# KiCad board hermod-left.kicad_pcb (continued)
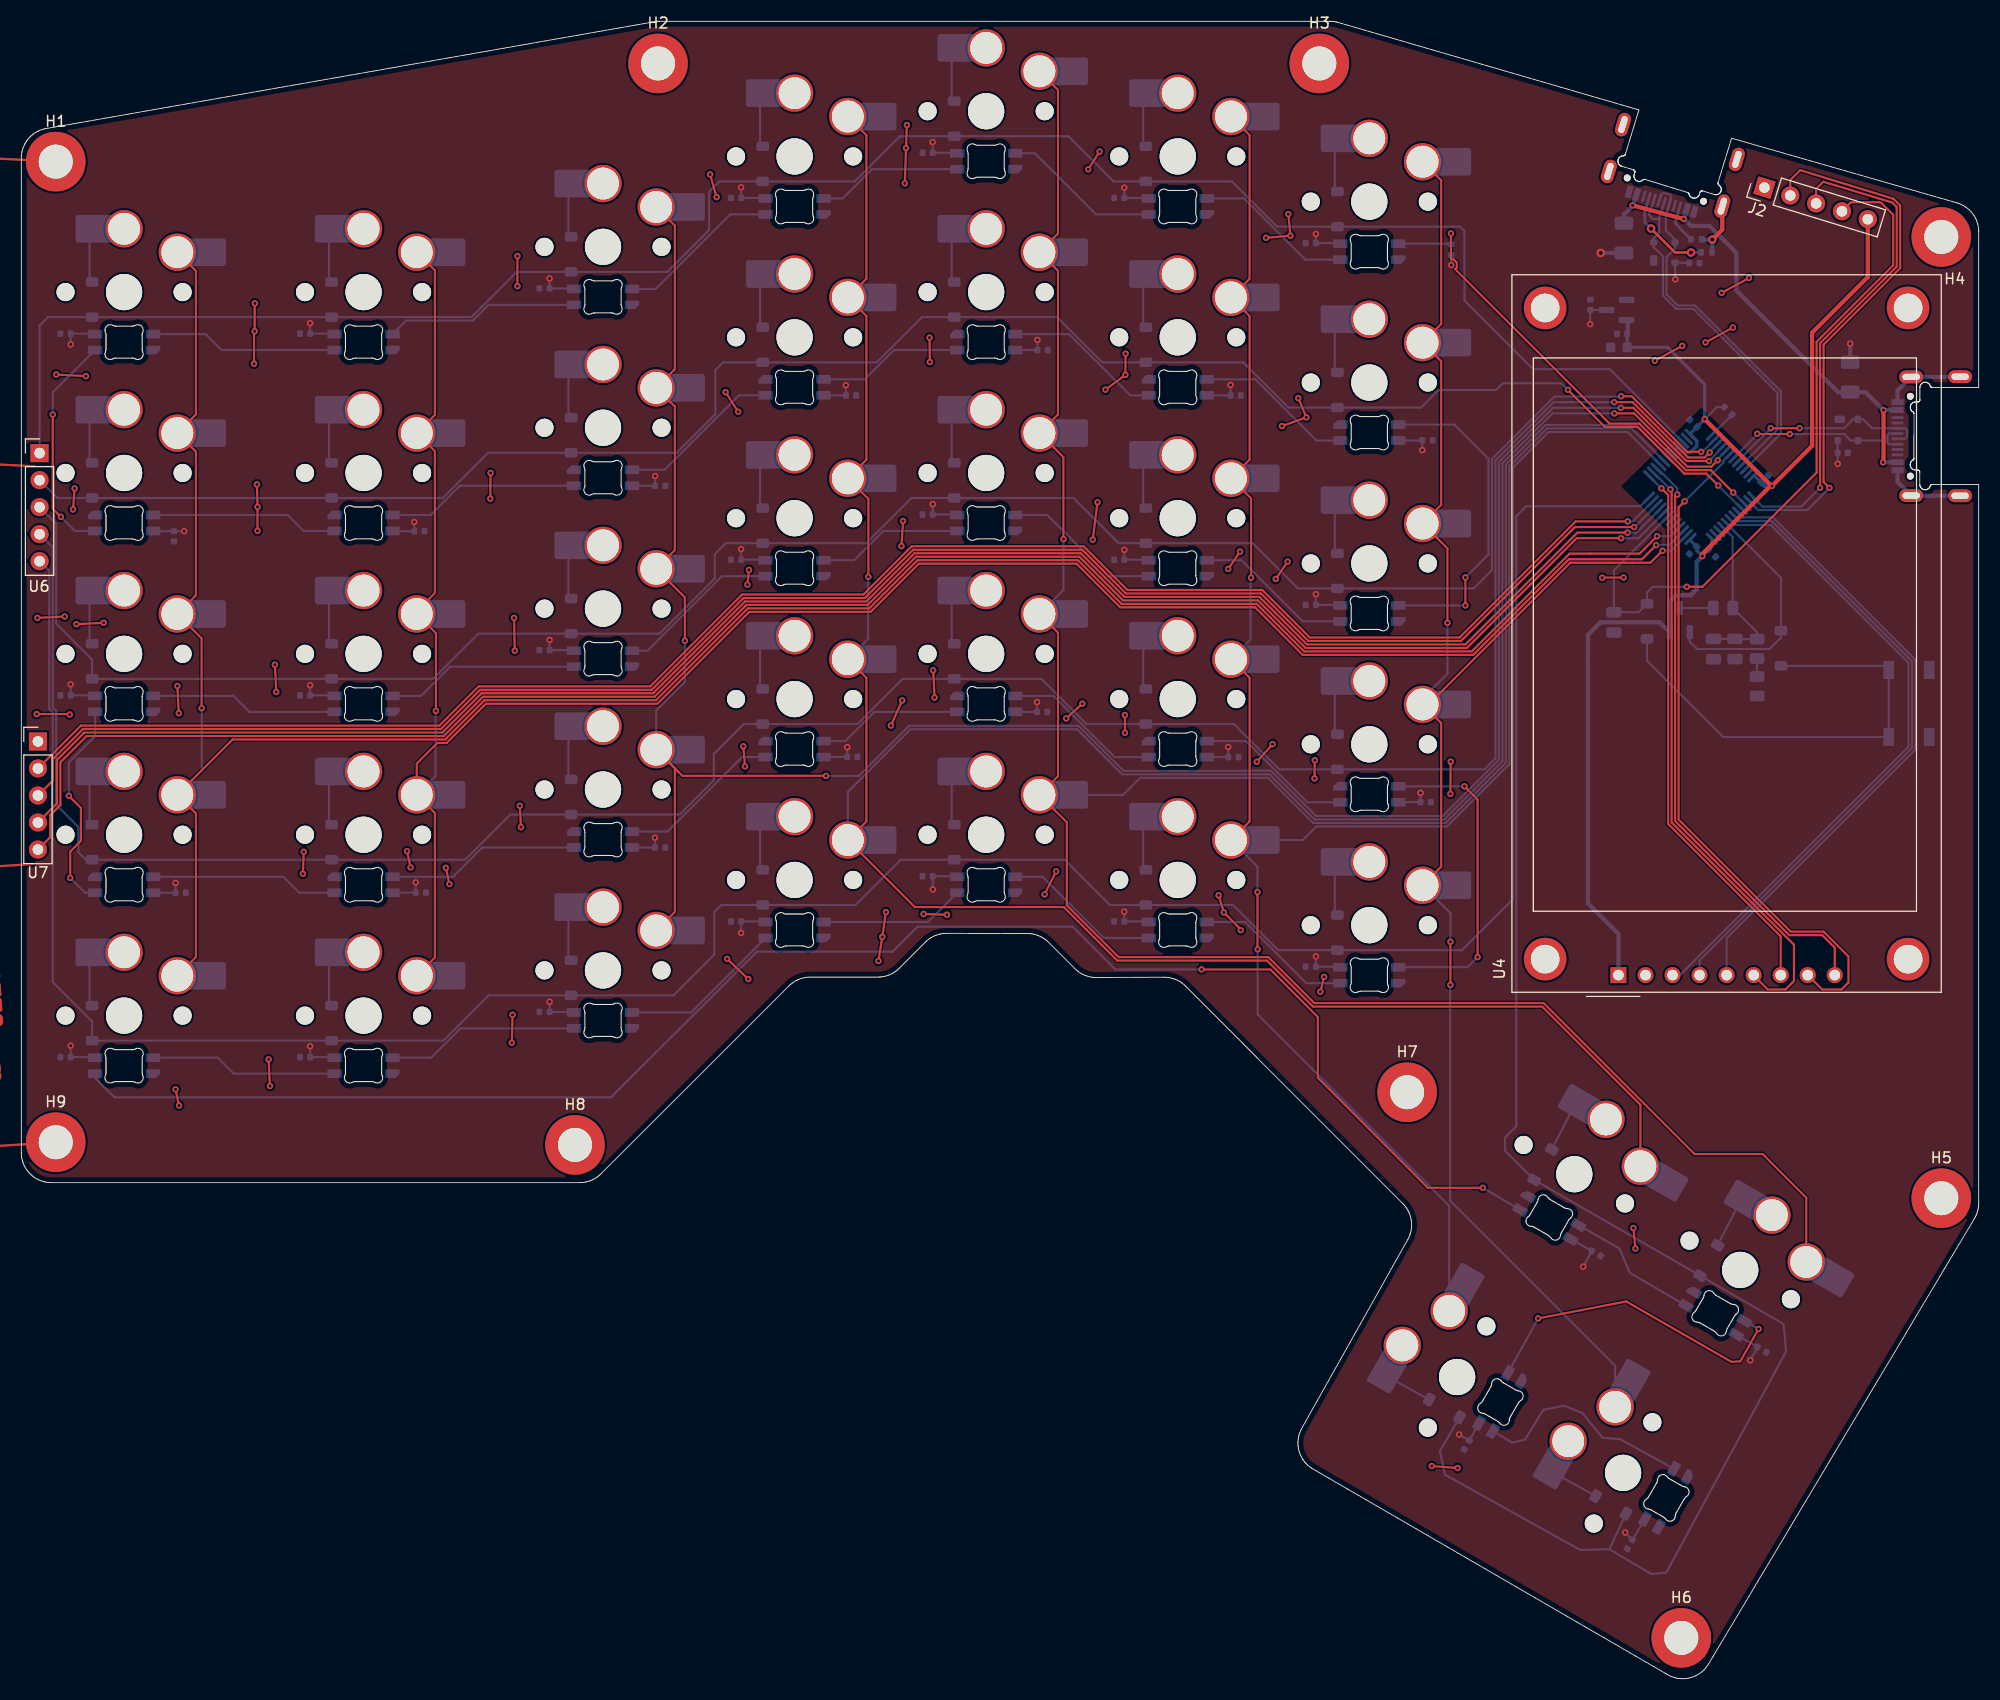
[diagram p0: board, top side]
## Footprints (pads in the part's own frame, mm; a bottom-side part is the same pattern mirrored in y, then rotated)
C_0402_1005Metric
  rrect 0.56x0.62 smd: 1(-0.48,0) 2(0.48,0)
C_0603_1608Metric
  rrect 0.9x0.95 smd: 1(-0.775,0) 2(0.775,0)
C_0805_2012Metric
  rrect 1x1.45 smd: 1(-0.95,0) 2(0.95,0)
CR2013-MI2120
  round 4 hole 2.7: (1.5,6.89) (1.5,-27.21) (62.7,6.89) (62.7,-27.21)
  rect 1.5x1.5 hole 1: 1(0,0)
  round 1.5 hole 1: 2(0,-2.54) 3(0,-5.08) 4(0,-7.62) 5(0,-10.16) 6(0,-12.7) 7(0,-15.24) 8(0,-17.78) 9(0,-20.32)
D_SOD-123
  rrect 0.9x1.2 smd: 1(-1.65,0) 2(1.65,0)
Fuse_1206_3216Metric
  rrect 1.25x1.75 smd: 1(-1.4,0) 2(1.4,0)
LED_choc_6028R
  rrect 1.35x0.82 smd: 1(-2.725,-0.75) 2(-2.725,0.75) 3(2.725,-0.75) 4(2.725,0.75)
LQFP-48_7x7mm_P0.5mm
  rrect 1.475x0.28 smd: 1(-4.162,2.75) 2(-4.162,2.25) 3(-4.162,1.75) 4(-4.162,1.25) 5(-4.162,0.75) 6(-4.162,0.25) 7(-4.162,-0.25) 8(-4.162,-0.75) 9(-4.162,-1.25) 10(-4.162,-1.75) 11(-4.162,-2.25) 12(-4.162,-2.75) 25(4.162,-2.75) 26(4.162,-2.25) 27(4.162,-1.75) 28(4.162,-1.25) 29(4.162,-0.75) 30(4.162,-0.25) 31(4.162,0.25) 32(4.162,0.75) 33(4.162,1.25) 34(4.162,1.75) 35(4.162,2.25) 36(4.162,2.75)
  rrect 0.28x1.475 smd: 13(-2.75,-4.162) 14(-2.25,-4.162) 15(-1.75,-4.162) 16(-1.25,-4.162) 17(-0.75,-4.162) 18(-0.25,-4.162) 19(0.25,-4.162) 20(0.75,-4.162) 21(1.25,-4.162) 22(1.75,-4.162) 23(2.25,-4.162) 24(2.75,-4.162) 37(2.75,4.162) 38(2.25,4.162) 39(1.75,4.162) 40(1.25,4.162) 41(0.75,4.162) 42(0.25,4.162) 43(-0.25,4.162) 44(-0.75,4.162) 45(-1.25,4.162) 46(-1.75,4.162) 47(-2.25,4.162) 48(-2.75,4.162)
MountingHole_3.2mm_M3_DIN965_Pad
  round 5.6 hole 3.2: 1(0,0)
PinHeader_1x05_P2.54mm_Vertical
  rect 1.7x1.7 hole 1: 1(0,0)
  oval 1.7x1.7 hole 1: 2(0,-2.54) 3(0,-5.08) 4(0,-7.62) 5(0,-10.16)
Pogo_2.54mm_5p
  rect 1.7x1.7 hole 1: 1(0,5.11)
  oval 1.7x1.7 hole 1: 2(0,2.57) 3(0,0.03) 4(0,-2.51) 5(0,-5.05)
R_0402_1005Metric
  rrect 0.54x0.64 smd: 1(-0.51,0) 2(0.51,0)
R_0805_2012Metric
  rrect 1.025x1.4 smd: 1(-0.912,0) 2(0.912,0)
SOT-23
  rrect 1.475x0.6 smd: 1(-0.938,0.95) 2(-0.938,-0.95) 3(0.938,0)
SOT-23-3
  rrect 1.325x0.6 smd: 1(-1.137,0.95) 2(-1.137,-0.95) 3(1.137,0)
SOT-143
  rrect 0.7x1 smd: 1(-1,0.75)
  rrect 0.7x0.6 smd: 2(-1,-0.95) 3(1,-0.95) 4(1,0.95)
SW_choc_v1_HS_CPG135001S30_1.5u
  round 1.7 hole 1.7 unplated: (-5.5,0) (5.5,0)
  round 3.4 hole 3.4 unplated: (0,0)
  round 3.5 hole 3: 1(5,-3.75) 2(0,-5.95)
  rect 1.2x2.6 smd: 1(6.55,-3.75) 2(-1.55,-5.95)
  rrect 2.65x2.6 smd: 1(8.245,-3.75) 2(-3.245,-5.95)
SW_choc_v1_HS_CPG135001S30_1u
  round 1.7 hole 1.7 unplated: (-5.5,0) (5.5,0)
  round 3.4 hole 3.4 unplated: (0,0)
  round 3.5 hole 3: 1(5,-3.75) 2(0,-5.95)
  rect 1.2x2.6 smd: 1(6.55,-3.75) 2(-1.55,-5.95)
  rrect 2.65x2.6 smd: 1(8.245,-3.75) 2(-3.245,-5.95)
SW_SPST_TL3342
  rect 1.7x1 smd: 1(-3.15,1.9) 1(3.15,1.9) 2(-3.15,-1.9) 2(3.15,-1.9)
USB_C_Receptacle_HRO_TYPE-C-31-M-14
  round 0.65 hole 0.65 unplated: (-3.75,0) (3.75,0)
  rect 0.54x1.1 smd: A1(-3.2,1.2) A4(-2.45,1.2) A9(2.45,1.2) A12(3.2,1.2) B1(3.2,1.2) B4(2.45,1.2) B9(-2.45,1.2) B12(-3.2,1.2)
  rect 0.28x1.1 smd: A5(-1.25,1.2) A6(-0.25,1.2) A7(0.25,1.2) A8(1.25,1.2) B5(1.75,1.2) B6(0.75,1.2) B7(-0.75,1.2) B8(-1.75,1.2)
  oval 1.2x2.25 hole 0.6x1.65: S1(-5.595,-4.68) S1(-5.575,-0.08) S1(5.575,-0.08) S1(5.595,-4.68)

## Nets
+3V3: C101.1 C102.1 C103.1 C104.1 C105.1 C107.1 J2.5 Q3.2 R6.1 U1.1 U1.20 U1.21 U1.24 U1.36 U1.48 U3.2 U4.1
+5V: C1.1 C2.1 C3.1 C4.1 C5.1 C6.1 C7.1 C8.1 C9.1 C10.1 C11.1 C12.1 C13.1 C14.1 C15.1 C16.1 C17.1 C18.1 C19.1 C20.1 C21.1 C22.1 C23.1 C24.1 C25.1 C26.1 C27.1 C28.1 C29.1 C30.1 C31.1 C32.1 C33.1 C34.1 C35.1 C36.1 C37.1 C38.1 C39.1 C40.1 C106.1 C108.1 F1.2 F2.2 LED1.1 LED2.1 LED3.1 LED4.1 LED5.1 LED6.1 LED7.1 LED8.1 LED9.1 LED10.1 LED11.1 LED12.1 LED13.1 LED14.1 LED15.1 LED16.1 LED17.1 LED18.1 LED19.1 LED20.1 LED21.1 LED22.1 LED23.1 LED24.1 LED25.1 LED26.1 LED27.1 LED28.1 LED29.1 LED30.1 LED31.1 LED32.1 LED33.1 LED34.1 LED35.1 LED36.1 LED37.1 LED38.1 LED39.1 R5.1 U2.4 U3.3
GND: C1.2 C2.2 C3.2 C4.2 C5.2 C6.2 C7.2 C8.2 C9.2 C10.2 C11.2 C12.2 C13.2 C14.2 C15.2 C16.2 C17.2 C18.2 C19.2 C20.2 C21.2 C22.2 C23.2 C24.2 C25.2 C26.2 C27.2 C28.2 C29.2 C30.2 C31.2 C32.2 C33.2 C34.2 C35.2 C36.2 C37.2 C38.2 C39.2 C40.2 C41.1 C42.1 C43.1 C101.2 C102.2 C103.2 C104.2 C105.2 C106.2 C107.2 C108.2 H1.1 H2.1 H3.1 H4.1 H5.1 H6.1 H7.1 H8.1 H9.1 J1.A1 J1.A12 J1.B1 J1.B12 J1.S1 J2.1 J3.A1 J3.A12 J3.B1 J3.B12 J3.S1 LED1.4 LED2.4 LED3.4 LED4.4 LED5.4 LED6.4 LED7.4 LED8.4 LED9.4 LED10.4 LED11.4 LED12.4 LED13.4 LED14.4 LED15.4 LED16.4 LED17.4 LED18.4 LED19.4 LED20.4 LED21.4 LED22.4 LED23.4 LED24.4 LED25.4 LED26.4 LED27.4 LED28.4 LED29.4 LED30.4 LED31.4 LED32.4 LED33.4 LED34.4 LED35.4 LED36.4 LED37.4 LED38.4 LED39.4 R1.1 R2.2 R9.2 RESET1.1 U1.19 U1.23 U1.35 U1.47 U2.1 U3.1 U4.2 U5.1 U7.1
VBUS: F1.1 F2.1 J1.A4 J1.A9 J1.B4 J1.B9 J3.A4 J3.A9 J3.B4 J3.B9
BOOT0: C41.2 C42.2 R7.2 R8.2 U1.45
BOOT0_CHRG: D40.2 Q3.1 U1.44
col0: CH1.1 CH8.1 CH15.1 CH22.1 CH29.1 U1.4
col1: CH2.1 CH9.1 CH16.1 CH23.1 CH30.1 U1.3
col2: CH3.1 CH10.1 CH17.1 CH24.1 CH31.1 U1.28
col3: CH4.1 CH11.1 CH18.1 CH25.1 CH32.1 CH36.1 U1.29
col4: CH5.1 CH12.1 CH19.1 CH26.1 CH33.1 CH37.1 U1.18
col5: CH6.1 CH13.1 CH20.1 CH27.1 CH34.1 CH38.1 U1.17
col6: CH7.1 CH14.1 CH21.1 CH28.1 CH35.1 CH39.1 U1.2
col7: U1.8 U7.5
col8: U1.9 U7.4
col9: U1.10 U7.3
col10: U1.11 U7.2
D+: J1.A6 J1.B6 U1.34 U2.3
D-: J1.A7 J1.B7 U1.33 U2.2
DOut1: LED1.2 LED8.3
DOut2: LED14.2 LED21.3
DOut3: LED15.2 LED22.3
DOut4: LED28.2 LED35.3
DOut5: LED29.2 LED36.3
HAND_PIN: R6.2 U1.25
LCD_BL_PWM: U1.30 U4.8
LCD_CS: U1.43 U4.3
LCD_DC: U1.41 U4.5
LCD_MISO: U1.15 U4.9
LCD_MOSI: U1.14 U4.6
LCD_RST: U1.42 U4.4
LCD_SCK: U1.13 U4.7
NRST: C43.2 D41.2 J2.4 U1.7
RGB5v: LED7.3 R5.2 U1.39
row0: D1.1 D2.1 D3.1 D4.1 D5.1 D6.1 D7.1 U1.22 U6.1
row1: D8.1 D9.1 D10.1 D11.1 D12.1 D13.1 D14.1 U1.40 U6.2
row2: D15.1 D16.1 D17.1 D18.1 D19.1 D20.1 D21.1 U1.26 U6.3
row3: D22.1 D23.1 D24.1 D25.1 D26.1 D27.1 D28.1 U1.27 U6.4
row4: D29.1 D30.1 D31.1 D32.1 D33.1 D34.1 D35.1 U1.16 U6.5
row5: D36.1 D37.1 D38.1 D39.1 U1.12
SplitSerial-RX: J3.A7 J3.B7 U1.32 U5.2
SplitSerial-TX: J3.A6 J3.B6 U1.31 U5.3
SWCLK: J2.2 U1.38
SWD: J2.3 U1.37
Net-(D1-A): CH1.2 D1.2
Net-(D2-A): CH2.2 D2.2
Net-(D3-A): CH3.2 D3.2
Net-(D4-A): CH4.2 D4.2
Net-(D5-A): CH5.2 D5.2
Net-(D6-A): CH6.2 D6.2
Net-(D7-A): CH7.2 D7.2
Net-(D8-A): CH8.2 D8.2
Net-(D9-A): CH9.2 D9.2
Net-(D10-A): CH10.2 D10.2
Net-(D11-A): CH11.2 D11.2
Net-(D12-A): CH12.2 D12.2
Net-(D13-A): CH13.2 D13.2
Net-(D14-A): CH14.2 D14.2
Net-(D15-A): CH15.2 D15.2
Net-(D16-A): CH16.2 D16.2
Net-(D17-A): CH17.2 D17.2
Net-(D18-A): CH18.2 D18.2
Net-(D19-A): CH19.2 D19.2
Net-(D20-A): CH20.2 D20.2
Net-(D21-A): CH21.2 D21.2
Net-(D22-A): CH22.2 D22.2
Net-(D23-A): CH23.2 D23.2
Net-(D24-A): CH24.2 D24.2
Net-(D25-A): CH25.2 D25.2
Net-(D26-A): CH26.2 D26.2
Net-(D27-A): CH27.2 D27.2
Net-(D28-A): CH28.2 D28.2
Net-(D29-A): CH29.2 D29.2
Net-(D30-A): CH30.2 D30.2
Net-(D31-A): CH31.2 D31.2
Net-(D32-A): CH32.2 D32.2
Net-(D33-A): CH33.2 D33.2
Net-(D34-A): CH34.2 D34.2
Net-(D35-A): CH35.2 D35.2
Net-(D36-A): CH36.2 D36.2
Net-(D37-A): CH37.2 D37.2
Net-(D38-A): CH38.2 D38.2
Net-(D39-A): CH39.2 D39.2
Net-(D40-K): D40.1 D41.1 RESET1.2
Net-(J1-CC1): J1.A5 R1.2
Net-(J1-CC2): J1.B5 R2.1
Net-(LED1-DIN): LED1.3 LED2.2
Net-(LED2-DIN): LED2.3 LED3.2
Net-(LED3-DIN): LED3.3 LED4.2
Net-(LED4-DIN): LED4.3 LED5.2
Net-(LED5-DIN): LED5.3 LED6.2
Net-(LED6-DIN): LED6.3 LED7.2
Net-(LED8-DOUT): LED8.2 LED9.3
Net-(LED10-DIN): LED9.2 LED10.3
Net-(LED10-DOUT): LED10.2 LED11.3
Net-(LED11-DOUT): LED11.2 LED12.3
Net-(LED12-DOUT): LED12.2 LED13.3
Net-(LED13-DOUT): LED13.2 LED14.3
Net-(LED15-DIN): LED15.3 LED16.2
Net-(LED16-DIN): LED16.3 LED17.2
Net-(LED17-DIN): LED17.3 LED18.2
Net-(LED18-DIN): LED18.3 LED19.2
Net-(LED19-DIN): LED19.3 LED20.2
Net-(LED20-DIN): LED20.3 LED21.2
Net-(LED22-DOUT): LED22.2 LED23.3
Net-(LED23-DOUT): LED23.2 LED24.3
Net-(LED24-DOUT): LED24.2 LED25.3
Net-(LED25-DOUT): LED25.2 LED26.3
Net-(LED26-DOUT): LED26.2 LED27.3
Net-(LED27-DOUT): LED27.2 LED28.3
Net-(LED29-DIN): LED29.3 LED30.2
Net-(LED30-DIN): LED30.3 LED31.2
Net-(LED31-DIN): LED31.3 LED32.2
Net-(LED32-DIN): LED32.3 LED33.2
Net-(LED33-DIN): LED33.3 LED34.2
Net-(LED34-DIN): LED34.3 LED35.2
Net-(LED36-DOUT): LED36.2 LED37.3
Net-(LED37-DOUT): LED37.2 LED38.3
Net-(LED38-DOUT): LED38.2 LED39.3
Net-(Q3-C): Q3.3 R7.1
Net-(R8-Pad1): R8.1 R9.1

Pads without a net: J1 A8 B8; J3 A5 A8 B5 B8; LED39 2; U1 5 6 46; U5 4

## Via types
v1: diameter 0.6, hole 0.3, Top to Bottom, 217 vias
v2: diameter 0.8, hole 0.4, Top to Bottom, 4 vias

## Routing (per net, layer and track width the routed paths; a pad name or vN(x,y) marks a point on that pad's centre or on a via; arc(x,y) is an arc through that point)
+3V3: length 127.6
  Top w0.3: v1(157.95,105.51) 157.95,105.7
  Top w0.4: v1(158.17,118.37) 164.44,112.1 v1(164.49,112.1) ; 157.95,105.7 164.35,112.1 v1(164.49,112.1) ; J2.5 173.49,131.74 168.26,126.5 168.26,115.87 v1(164.49,112.1)
  Bottom w0.2: 158.54,106.09 158.53,106.09 ; 149.96,66.24 U4.1 ; R6.1 159.31,119.51 v1(158.17,118.37) ; 150.89,126.31 150.78,126.42
  Bottom w0.3: U1.20 U1.21 156.4,115.23 156.8,115.23 157.43,115.86 157.43,116.32 U1.24 156.84,117.04 C105.1 v1(158.17,118.37) 158.17,118.37 158.17,121.64 154.68,125.13 C101.1 150.88,126.39 150.89,126.39 ; 158.53,106.09 v1(157.95,105.51) 157.42,106.04 C103.1 156.84,106.97 U1.1 ; C102.1 162.87,113.02 U1.36 ; 158.54,106.09 158.84,106.39 U1.48
  Bottom w0.4: C102.1 163.79,112.1 v1(164.49,112.1) ; 150.88,126.33 150.94,126.39 150.94,127.58 U3.2 ; 150.85,125.09 150.89,125.12 ; U4.1 150.07,70 147.2,72.87 147.2,98.11 148.38,99.29 153.93,99.29 Q3.2 154.87,101.19 155.51,101.83 156.85,101.83 157.41,102.39 157.41,104.97 v1(157.95,105.51) 157.96,105.5
+5V: length 138.9
  Bottom w0.2: LED31.1 51.88,62.67 C31.1 v1(49.64,63.63) ; v1(85.63,144.42) C5.1 87.88,143.42 LED5.1 ; LED15.1 6.88,92.42 C15.1 v1(4.64,93.45) ; LED30.1 29.38,58.42 C30.1 v1(27.14,59.44) ; LED4.1 69.88,139.17 C4.1 v1(67.64,140.16) ; v1(131.47,83.26) C28.1 129.4,82.39 LED28.1 ; LED24.1 C24.1 v1(59.54,79.05) ; v1(131.64,115.47) C14.1 131.62,116.37 LED14.1 ; v1(4.65,125.4) 4.64,125.41 C1.1 6.88,126.42 LED1.1 ; v1(103.64,106.1) C20.1 105.88,105.17 LED20.1 ; v1(135.1,22.95) C38.1 LED38.1 ; LED11.1 75.39,120.61 C11.1 v1(77.48,121.57) ; LED17.1 51.88,96.67 C17.1 v1(49.64,97.63) ; LED16.1 29.38,92.42 C16.1 v1(27.14,93.37) ; v1(113.41,87.56) C27.1 LED27.1 ; LED36.1 C36.1 v1(146.76,38.73) ; LED18.1 69.88,105.17 C18.1 v1(67.64,106.16) ; v1(121.64,135.79) C7.1 123.88,134.92 LED7.1 ; v1(121.64,67.88) C35.1 123.88,66.92 LED35.1 ; LED9.1 34.9,107.85 C9.1 v1(36.93,108.72) ; v1(95.48,125.83) C12.1 LED12.1 ; LED6.1 105.88,139.17 C6.1 v1(103.63,140.14) ; LED3.1 51.88,130.67 C3.1 v1(49.64,131.6) ; v1(85.64,74.18) C33.1 87.88,75.42 LED33.1 ; LED25.1 75.4,86.64 C25.1 v1(77.61,87.55) ; LED23.1 34.89,73.88 C23.1 v1(37.06,74.84) ; LED29.1 6.88,58.42 C29.1 v1(4.64,59.5) ; v1(59.56,113.03) C10.1 57.39,112.11 LED10.1 ; 156.65,133.06 U2.4 v1(155.41,131.52) ; v1(27.14,127.4) C2.1 29.38,126.42 LED2.1 ; v1(14.5,74.8) C22.1 LED22.1 ; v1(85.64,110.39) C19.1 87.88,109.42 LED19.1 ; LED34.1 105.88,71.17 C34.1 v1(103.64,72.09) ; 170.66,116.36 170.66,115.29 ; v1(147.41,127.3) 147.41,128.63 147.41,128.64 U3.3 ; v1(150.7,13.74) 150.7,13.72 C39.1 LED39.1 ; LED32.1 69.88,71.17 C32.1 v1(67.64,70.08) ; LED37.1 C37.1 v1(162.46,29.93) ; LED21.1 123.88,100.92 C21.1 v1(121.64,101.93) ; C40.1 170.66,114.19 ; 134.35,133.79 v1(134.35,132.86) ; v1(15.31,107.85) C8.1 12.4,107.85 LED8.1 ; v1(113.62,121.59) C13.1 111.39,120.61 LED13.1 ; LED26.1 93.39,90.86 C26.1 v1(95.44,91.78)
  Bottom w0.4: F1.2 v2(148.4,134) ; F2.2 v1(171.84,125.48)
  vias: v1(170.67,114.18)
GND: length 160.1
  Top w0.2: v1(40.22,74.69) v1(39.89,76.21) ; v1(122.41,65.96) v1(122.06,64.57) ; v1(23.83,95.3) v1(23.96,92.74) ; v1(118.98,104.99) v1(117.87,103.36) ; v1(67.84,87.63) v1(68,85.75) ; v1(23.24,58.21) v1(23.37,55.7) ; v1(1.52,99.7) v1(4.08,99.83) ; v1(103.76,124.53) v1(103.74,122.54) v1(101.86,121.15) ; v1(46.84,82.04) v1(46.95,80.03) ; v1(121.51,84.61) v1(121.54,86.32) ; v1(150.54,103.49) 148.56,103.49 v1(148.54,103.47) ; v1(66.32,67.65) v1(68.31,65.76) ; v1(85.34,126.04) v1(85.37,123.75) ; v1(82.77,91.94) v1(81.71,89.58) ; v1(114.58,70.35) 114.58,70.43 v1(112.99,72.02) v1(112.5,73.63) ; v1(153.49,123.87) v1(156.06,125.27) ; v1(46.62,130.88) v1(46.62,133.71) ; v1(68.38,104.21) v1(68.23,102.83) ; v1(98.18,90.25) v1(99.7,91.64) ; v1(82.85,108.81) v1(82.7,106.45) ; v1(85.68,94.77) v1(85.81,92.21) ; v1(103.7,88.9) v1(103.7,90.57) ; v1(116.96,135.42) v1(119.25,135.62) v1(119.05,137.65) ; v1(118.45,117.73) v1(120.75,118.55) v1(119.99,120.35) ; v1(6.08,122.42) v1(3.28,122.57) ; v1(83.02,140.54) v1(83.13,143.85) v1(83.21,146.02) ; v1(5.01,111.86) v1(4.86,109.9) ; v1(81.24,72.05) v1(80.9,69.72) v1(80.54,67.46) ; v1(151.47,42.36) v1(151.66,40.43) ; v1(116.09,86.18) v1(117.57,87.83) ; v1(14.82,53.87) v1(14.49,55.39) ; v1(22.2,107.88) v1(22.2,110.13) v1(22.14,112.24) ; v1(86.98,71.8) v1(84.78,71.87) ; v1(44.1,113.32) v1(44.07,110.91) ; v1(134.31,86.19) v1(134.28,83.16) ; v1(66.18,120.91) v1(67.36,119.08) ; v1(46.3,99.7) v1(46.37,96.62) ; v1(21.87,123.59) 21.87,126.58 v1(21.93,126.64) 21.93,129.24 v1(21.95,129.26) ; v1(4.55,90.62) 4.51,90.66 v1(1.45,90.66) ; v1(100.25,141.86) v1(101.32,143.53) ; v1(64.72,141.38) v1(65.33,139.25) ; v1(134.95,19.8) v1(132.52,19.99) ; v1(46.16,62.4) v1(46.09,59.77) ; v1(14.67,93.3) v1(14.8,90.74) ; v1(114.51,105.93) v1(113.4,104.3) ; v1(26.54,77.72) v1(26.46,75.65) ; v1(97.23,75.87) v1(96.15,73.72) ; v1(158.25,125.59) v1(160.82,126.99) ; v1(36.58,76.25) v1(36.25,77.77) ; v1(159.76,130.25) v1(162.33,131.65) ; v1(101.12,110.57) v1(100.67,107.05) ; v1(5.18,99.11) v1(7.74,99.24)
  Top w0.4: J1.S1 159.83,136.2 v2(158.88,135.25)
  Bottom w0.2: 147.41,129.59 147.41,129.59 ; 177.59,111.18 J3.S1 ; J1.S1 161.19,142.73
  Bottom w0.4: R1.1 158.88,134.09 v2(158.88,135.25) 157.93,135.25 R2.2 ; J3.S1 182.15,122.35 J3.S1 176.29,121.07 J3.A1 ; J3.S1 177.59,111.18 ; J3.S1 176.29,112.48 J3.A12
VBUS: length 44.9
  Top w0.2: v1(174.93,114.32) 174.97,114.37
  Top w0.4: 174.97,114.37 v1(174.97,119.23) ; v1(151.4,138.47) v1(156.2,137.19)
  Bottom w0.2: 174.93,114.33 v1(174.93,114.32)
  Bottom w0.4: J1.A4 v1(151.4,138.47) 151.39,138.43 150.58,137.62 F1.1 ; J3.A4 v1(174.97,119.23) 173.3,120.9 170.72,120.9 161.15,130.47 161.15,134.01 158.62,136.54 156.91,136.54 v1(156.2,137.19) J1.A9 ; 156.49,138.14 156.49,138.16 ; J3.A9 174.93,114.33
BOOT0: length 15.9
  Bottom w0.2: C42.2 159.01,97.73 C41.2 161.04,97.7 R8.2 163.09,98.34 R7.2 160.8,107.25 160.82,107.27 U1.45
BOOT0_CHRG: length 23.2
  Bottom w0.2: U1.44 165.34,103.46 D40.2 165.34,97.85 164.27,96.78 157.44,96.78 156.77,97.45 Q3.1 156.89,98.48
col0: length 232.9
  Top w0.2: v1(16.95,91.21) 16.95,97.78 CH15.1 16.41,101.82 16.41,115.32 CH8.1 16.41,118.82 16.41,132.32 CH1.1 ; v1(153.7,107.38) 152.06,105.74 147.39,105.74 147.38,105.74 145.47,105.74 136.29,96.55 120.53,96.55 116.06,101.02 103.38,101.02 99.28,105.12 84.2,105.12 79.67,100.59 68.27,100.59 59.64,91.96 43.52,91.96 39.83,88.27 19.86,88.27 CH22.1 16.41,81.32 16.41,67.82 CH29.1
  Bottom w0.2: v1(153.7,107.38) 154.97,107.38 U1.4 ; v1(16.95,91.21) 16.96,91.2 16.96,85.37 CH22.1
col1: length 211.8
  Top w0.2: CH30.1 38.86,67.77 38.86,81.37 CH23.1 37.16,86.01 39.09,87.94 39.96,87.94 43.65,91.64 59.77,91.64 68.4,100.27 79.8,100.27 84.33,104.8 99.14,104.8 103.24,100.69 115.92,100.69 120.39,96.23 136.42,96.23 145.41,105.21 152.28,105.21 v1(153.6,106.54) ; CH2.1 38.86,132.37 38.86,118.77 CH9.1 38.86,115.37 38.86,102.03 37.16,100.33 CH16.1 38.96,98.27 v1(38.96,90.96)
  Bottom w0.2: v1(38.96,90.96) 38.93,90.93 38.93,84.84 CH23.1 ; v1(153.6,106.54) 154.83,106.54 U1.3
col2: length 216.3
  Top w0.2: CH3.1 61.41,136.57 61.41,123.07 CH10.1 61.41,119.57 61.41,106.07 CH17.1 62.35,101.63 v1(62.35,97.55) ; v1(75.61,84.85) 75.6,84.86 62.12,84.86 CH24.1 61.41,85.57 61.41,72.07 CH31.1 ; v1(158.57,114.44) 156.47,114.44 151.46,119.45 v1(150.29,119.45)
  Bottom w0.2: v1(75.61,84.85) 78.7,84.85 83.41,89.56 99.32,89.56 103.56,85.33 114.95,85.33 114.97,85.34 117.39,85.34 121.65,81.08 133.55,81.08 138.83,86.36 138.83,114.36 143.92,119.45 v1(150.29,119.45) ; U1.28 159.9,115.76 v1(158.57,114.44) ; CH24.1 59.66,91.01 62.35,93.7 v1(62.35,97.55)
col3: length 292.6
  Top w0.2: CH25.1 79.41,94.07 79.41,80.57 CH32.1 83.96,72.52 97.95,72.52 102.98,67.49 117.05,67.49 121.37,63.17 142.9,63.17 152.12,53.95 CH36.1 ; CH4.1 79.41,145.07 79.41,131.57 CH11.1 79.41,128.07 79.41,114.57 CH18.1 79.59,110.89 v1(79.59,103.56) ; v1(159.39,114.51) 158.79,113.92 156.53,113.92 151.53,118.92 v1(149.68,118.92)
  Bottom w0.2: v1(159.39,114.51) 159.39,114.63 U1.29 ; CH32.1 77.66,83.35 83.54,89.23 99.19,89.23 103.42,85 117.27,85 121.52,80.75 133.69,80.75 139.16,86.22 139.16,114.22 143.85,118.92 v1(149.68,118.92) ; CH25.1 79.57,97.73 79.57,103.54 v1(79.59,103.56)
col4: length 267.2
  Top w0.2: v1(97.92,107.11) 97.92,114.81 CH19.1 97.41,118.82 97.41,132.32 CH12.1 97.41,135.82 97.41,149.32 CH5.1 ; CH26.1 97.41,98.32 97.41,84.82 CH33.1 98.24,80.49 98.24,72.69 103.11,67.82 117.18,67.82 121.5,63.5 143.03,63.5 157.22,49.31 163.61,49.31 167.71,45.21 CH37.1
  Bottom w0.2: CH33.1 103.53,83.07 105.13,84.67 117.14,84.67 121.38,80.43 133.82,80.43 139.49,86.09 139.49,114.09 143.23,117.84 151.67,117.84 U1.18 ; CH26.1 97.92,102.33 v1(97.92,107.11)
col5: length 201.1
  Top w0.2: CH6.1 115.41,145.07 115.41,131.57 CH13.1 115.41,128.07 115.41,114.57 CH20.1 115.55,110.93 v1(115.55,103.48) ; CH34.1 115.41,80.57 115.41,94.07 CH27.1 ; v1(116.17,68.55) 116.15,68.57 v1(116.15,73.93)
  Bottom w0.2: v1(116.17,68.55) 116.17,62.44 134.16,44.45 CH38.1 ; U1.17 151.29,117.51 143.37,117.51 139.81,113.95 139.81,85.95 133.96,80.1 121.69,80.1 120.41,78.82 CH34.1 116.15,76.33 v1(116.15,73.93) ; v1(115.55,103.48) 115.5,103.43 115.5,97.66 CH27.1
col6: length 162.2
  Top w0.2: v1(134.28,69.26) v1(134.28,65.21) ; CH35.1 133.41,76.32 133.41,89.82 CH28.1 132.23,91.57 145.55,104.89 153.08,104.89 v1(154.21,106.02) ; v1(134,99.23) 134,106.23 CH21.1 133.41,110.32 133.41,123.82 CH14.1 133.41,127.32 133.41,140.82 CH7.1
  Bottom w0.2: CH35.1 134.28,71.95 v1(134.28,69.26) ; U1.2 155.01,106.02 v1(154.21,106.02) ; CH39.1 149.75,29.42 134.26,44.91 134.26,65.19 v1(134.28,65.21) ; v1(134,99.23) 134,94.46 131.66,92.12 CH28.1
col7: length 176.6
  Top w0.2: v1(150.31,107.19) 150.3,107.19 146.14,107.19 135.83,96.88 120.66,96.88 116.19,101.35 103.51,101.35 99.41,105.45 84.06,105.45 79.53,100.92 68.13,100.92 59.5,92.29 43.38,92.29 39.69,88.6 6.14,88.6 3.68,86.13 3.68,82.12 2.72,81.16 2.72,79.08 U7.5
  Bottom w0.2: v1(150.31,107.19) 151.94,107.19 U1.8
col8: length 174.2
  Top w0.2: U7.4 3.35,82.25 3.35,86.35 5.92,88.92 39.55,88.92 43.25,92.62 59.37,92.62 68,101.25 79.4,101.25 83.93,105.78 99.55,105.78 103.65,101.67 116.33,101.67 120.8,97.21 135.69,97.21 146.2,107.72 150.91,107.72 v1(150.92,107.71)
  Bottom w0.2: v1(150.92,107.71) 151.76,107.71 U1.9
col9: length 171.7
  Top w0.2: v1(151.54,108.24) 145.98,108.24 135.27,97.53 120.93,97.53 116.47,102 103.79,102 99.68,106.1 83.79,106.1 79.26,101.57 67.86,101.57 59.23,92.94 43.11,92.94 39.42,89.25 5.79,89.25 2.96,86.42 2.96,84.4 U7.3
  Bottom w0.2: U1.10 151.58,108.24 v1(151.54,108.24)
col10: length 169.2
  Top w0.2: v1(150.93,108.77) 150.93,108.77 146.05,108.77 135.14,97.86 121.07,97.86 116.6,102.33 103.92,102.33 99.82,106.43 83.66,106.43 79.13,101.9 67.73,101.9 59.1,93.27 42.98,93.27 39.28,89.58 5.59,89.58 U7.2
  Bottom w0.2: v1(150.93,108.77) 151.4,108.77 U1.11
D+: length 34.8
  Bottom w0.2: U2.3 155.38,135.26 154.51,136.12 154.51,137.5 J1.B6 ; 154.83,138.58 155.02,139.29 154.93,139.46 154.33,139.64 154.07,139.54 153.88,138.88 ; 155.38,134.94 155.38,134.41 154.58,133.62 154.58,130.11 155.63,129.07 157.25,129.07 165.33,120.98 165.33,117.04 U1.34
D-: length 34.7
  Bottom w0.2: U1.33 165.01,117.42 165.01,120.85 157.11,128.74 155.49,128.74 154.26,129.98 154.26,133.66 153.38,134.54 U2.2 153.38,135.38 153.9,135.9 153.9,137.18 153.89,137.19 ; 153.89,137.19 154,137.59 J1.A7 ; 153.89,137.19 153.31,137.19 152.94,137.56 152.94,137.59 J1.B7
DOut1: length 21.4
  Top w0.2: v1(2.96,118.81) 2.95,118.81 2.95,109.96 v1(3.72,109.2)
  Bottom w0.2: LED8.3 5.05,107.87 v1(3.72,109.2) ; v1(2.96,118.81) 2.96,120.9 LED1.2
DOut2: length 30.8
  Top w0.2: v1(135.69,103.5) 135.69,100.85
  Bottom w0.2: LED21.3 v1(135.69,100.87) ; LED14.2 134.64,117.87 137.85,114.66 137.85,105.66 v1(135.69,103.5)
DOut3: length 20.4
  Top w0.2: v1(4.47,82.98) 5.61,81.84 5.61,78.75 4.6,77.74 v1(4.6,75.26)
  Bottom w0.2: v1(4.6,75.26) 5.99,73.87 LED22.3 ; v1(4.47,82.98) 4.47,86.13 6.93,88.59 LED15.2
DOut4: length 30.6
  Top w0.2: v1(136.83,67.82) 136.83,82.64 v1(135.6,83.87)
  Bottom w0.2: v1(135.6,83.87) LED28.2 ; LED35.3 135.88,66.87 v1(136.83,67.82)
DOut5: length 155.8
  Top w0.2: v1(110.9,66.66) 117.35,66.66 121.82,62.19 121.82,56.48 132.16,46.14 v1(137.33,46.14)
  Bottom w0.2: v1(110.9,66.66) 102.8,66.66 98.78,70.68 84.22,70.68 81.87,68.33 69.1,68.33 55.41,54.64 8.75,54.64 6.93,56.46 LED29.2 ; v1(137.33,46.14) LED36.3
HAND_PIN: length 2.7
  Bottom w0.2: R6.2 158.86,116.91 U1.25
LCD_BL_PWM: length 64.8
  Top w0.2: v1(156.28,110.65) 155.72,110.09 155.72,80.75 166.25,70.21 169.35,70.21 171.68,67.88 171.68,65.43 171.02,64.77 169.21,64.77 U4.8
  Bottom w0.2: U1.30 160.6,115.14 159.91,114.46 159.91,114.29 v1(156.28,110.65)
LCD_CS: length 61.2
  Bottom w0.2: U1.43 161.07,108.43 164.37,108.43 177.32,95.48 177.32,87.61 155.84,66.13 U4.3
LCD_DC: length 59.4
  Bottom w0.2: U4.5 160.23,69.59 177.98,87.34 177.98,95.75 164.59,109.14 161.78,109.14 U1.41
LCD_MISO: length 56.6
  Top w0.2: v1(155.59,111.3) 155.39,111.09 155.39,80.61 166.11,69.89 169.21,69.89 170.39,68.71 U4.9
  Bottom w0.2: U1.15 153.74,113.73 155.59,111.88 v1(155.59,111.3)
LCD_MOSI: length 58
  Top w0.2: v1(154.95,111.77) 155.06,111.66 155.06,80.48 166.56,68.98 166.56,65.57 165.77,64.78 164.09,64.78 162.77,66.1 U4.6
  Bottom w0.2: v1(154.95,111.77) 153.35,113.37 U1.14
LCD_RST: length 60.9
  Top w0.2: U4.4 157.69,66.56 157.92,66.79
  Bottom w0.2: U1.42 161.42,108.79 164.48,108.79 177.65,95.61 177.65,87.48 157.69,67.51 U4.4
LCD_SCK: length 52
  Top w0.2: v1(154.11,111.87) 154.73,111.24 154.73,80.34 165.31,69.77 U4.7
  Bottom w0.2: v1(154.11,111.87) 152.96,113.02 U1.13
NRST: length 69.2
  Top w0.2: v1(156.49,102.62) 157.96,102.62 168.68,113.35 168.68,125.65 175.88,132.85 175.88,137.58 174.75,138.71 174.58,138.76 171.91,138.76 J2.4
  Bottom w0.2: v1(156.49,102.62) 153.28,102.62 152.75,102.09 D41.2 151.95,100.23 C43.2 149.64,104.17 U1.7 ; 152.8,101.36 152.75,101.31
RGB5v: length 46.3
  Top w0.2: v1(134.33,135.83) 134.33,133.39 134.57,133.39 134.88,133.08 134.88,132.64 134.72,132.48 149.24,117.96 152.02,117.96 156.4,113.59 158.74,113.59 v1(160.85,111.48)
  Bottom w0.2: v1(160.85,111.48) 162.01,110.31 U1.39 ; LED7.3 134.3,134.87 R5.2 134.33,134.84 v1(134.33,135.83)
row0: length 191.6
  Bottom w0.2: U1.22 149.25,123.08 142.04,123.08 135.6,129.52 135.6,136.06 135.18,136.47 D7.1 118,136.47 113.75,140.72 D6.1 102.64,140.72 98.39,144.97 D5.1 82.56,144.97 78.31,140.72 D4.1 65.59,140.72 64.63,139.76 64.63,136.15 60.7,132.22 D3.1 46.55,132.22 42.3,127.97 D2.1 D1.1 2.51,127.97 1.72,127.18 U6.1
row1: length 179.5
  Top w0.2: v1(145.31,121.14) 145.31,121.12 148.8,117.63 151.89,117.63 156.26,113.26 158.32,113.26 v1(159.44,112.14)
  Bottom w0.2: U1.40 161.62,109.96 v1(159.44,112.14) ; v1(145.31,121.14) 144.7,121.75 139.21,121.75 138.58,121.12 133.16,121.12 131.51,119.47 D14.1 119.06,119.47 114.81,123.72 D13.1 101.56,123.72 97.31,127.97 D12.1 84.62,127.97 80.37,123.72 D11.1 65.94,123.72 65.22,123 65.22,118.86 61.58,115.22 D10.1 43.84,115.22 39.59,110.97 D9.1 D8.1 3.4,110.97 U6.2
row2: length 198.9
  Top w0.2: v1(157.83,115.31) 156.52,115.31 151.31,120.53 v1(150.31,120.53)
  Bottom w0.2: U1.26 159.19,116.55 157.95,115.31 v1(157.83,115.31) ; v1(150.31,120.53) 150.28,120.5 144.05,120.5 138.18,114.63 138.18,104.18 136.47,102.47 D21.1 119.95,102.47 115.7,106.72 D20.1 103.11,106.72 98.86,110.97 D19.1 83.64,110.97 79.39,106.72 D18.1 66.2,106.72 65.16,105.68 65.16,103.41 59.97,98.22 D17.1 42.95,98.22 38.7,93.97 D16.1 D15.1 6.66,95.78 3.28,99.16 3.28,108.55 U6.3
row3: length 231.4
  Top w0.2: v1(149.67,119.97) 151.4,119.97 156.59,114.78 158.17,114.78 v1(158.63,115.25)
  Bottom w0.2: U6.4 2.95,106.33 2.95,91.3 3.28,90.97 3.28,82.13 5.37,80.04 5.37,77.68 6.08,76.97 D22.1 D23.1 41.7,76.97 45.95,81.22 D24.1 61.85,81.22 65.07,84.43 65.07,86.92 67.87,89.72 D25.1 78.56,89.72 82.81,93.97 D26.1 95.84,93.97 100.09,89.72 D27.1 113.94,89.72 118.19,85.47 D28.1 137.48,85.47 138.5,86.49 138.5,114.49 143.98,119.97 v1(149.67,119.97) ; v1(158.63,115.25) 158.63,115.29 U1.27
row4: length 252.6
  Bottom w0.2: U6.5 2.63,104.12 2.63,91.16 2.95,90.83 2.95,65.47 6.66,61.77 D29.1 D30.1 39.66,59.97 43.91,64.22 D31.1 61.28,64.22 65.12,68.06 65.12,72.06 65.78,72.72 D32.1 78.38,72.72 82.63,76.97 D33.1 98.03,76.97 102.28,72.72 D34.1 113.84,72.72 118.09,68.47 D35.1 135.36,68.47 140.14,73.25 140.14,113.82 143.5,117.18 150.91,117.18 U1.16
row5: length 163.4
  Bottom w0.2: U1.12 152.94,111.02 152.11,110.19 141.4,110.19 140.47,109.26 140.47,51.92 139.41,50.86 139.41,49.62 D36.1 D37.1 165.58,33.33 165.82,30.76 154.56,9.97 153.14,9.85 149.21,12.17 ; 149.21,12.17 D39.1 ; 149.21,12.17 146.47,12.1 133.78,19.17 133.29,21.4 D38.1
SplitSerial-RX: length 19.6
  Top w0.2: v1(164.37,117.53) v1(167.08,117.53)
  Bottom w0.2: v1(164.37,117.53) 161.31,114.47 U1.32 ; 167.08,117.53 v1(167.08,117.53) 171.28,117.53 172.12,118.37 173.04,118.37 173.88,117.53 J3.B7 177.02,117.53 177.18,117.37 177.18,116.72 176.98,116.53 J3.A7
SplitSerial-TX: length 18
  Top w0.2: v1(163.11,117.01) 163.14,116.98 v1(166.16,116.98)
  Bottom w0.2: U1.31 163.11,116.94 v1(163.11,117.01) ; v1(166.16,116.98) 171.28,116.98 171.89,116.37 175.32,116.37 ; 176.1,117.03 175.46,117.03 175.32,116.89 175.32,116.37 ; 175.32,116.37 175.32,116.16 175.45,116.03 176.1,116.03
SWCLK: length 51.3
  Top w0.2: v1(169.89,111.92) 169.34,112.47 169.34,125.38 176.53,132.57 176.53,138.46 175.9,139.09 175.9,139.09 167.14,141.78 166.21,140.85 J2.2
  Bottom w0.2: v1(169.89,111.92) 167.8,109.83 163.21,109.83 U1.38
SWD: length 46.4
  Top w0.2: J2.3 168.64,140.02 169.31,140.69 175.79,138.74 176.21,138.32 176.21,132.71 169.01,125.51 169.01,111.93 v1(169.01,111.93)
  Bottom w0.2: U1.37 163.59,110.16 167.24,110.16 v1(169.01,111.93)
Net-(D1-A): length 5.1
  Bottom w0.2: CH1.2 6.41,131.52 D1.2
Net-(D2-A): length 5.1
  Bottom w0.2: CH2.2 28.91,131.52 D2.2
Net-(D3-A): length 5.1
  Bottom w0.2: CH3.2 51.41,135.77 D3.2
Net-(D4-A): length 5.1
  Bottom w0.2: CH4.2 69.41,144.27 D4.2
Net-(D5-A): length 5.1
  Bottom w0.2: D5.2 87.41,148.52 CH5.2
Net-(D6-A): length 5.1
  Bottom w0.2: CH6.2 105.41,144.27 D6.2
Net-(D7-A): length 5.1
  Bottom w0.2: D7.2 123.41,140.02 CH7.2
Net-(D8-A): length 5.1
  Bottom w0.2: D8.2 6.41,114.52 CH8.2
Net-(D9-A): length 5.1
  Bottom w0.2: D9.2 28.91,114.52 CH9.2
Net-(D10-A): length 5.1
  Bottom w0.2: D10.2 51.41,118.77 CH10.2
Net-(D11-A): length 5.1
  Bottom w0.2: CH11.2 69.41,127.27 D11.2
Net-(D12-A): length 5.1
  Bottom w0.2: CH12.2 87.41,131.52 D12.2
Net-(D13-A): length 5.1
  Bottom w0.2: D13.2 105.41,127.27 CH13.2
Net-(D14-A): length 5.1
  Bottom w0.2: D14.2 123.41,123.02 CH14.2
Net-(D15-A): length 5.1
  Bottom w0.2: D15.2 6.41,97.52 CH15.2
Net-(D16-A): length 5.1
  Bottom w0.2: D16.2 28.91,97.52 CH16.2
Net-(D17-A): length 5.1
  Bottom w0.2: CH17.2 51.41,101.77 D17.2
Net-(D18-A): length 5.1
  Bottom w0.2: D18.2 69.41,110.27 CH18.2
Net-(D19-A): length 5.1
  Bottom w0.2: D19.2 87.41,114.52 CH19.2
Net-(D20-A): length 5.1
  Bottom w0.2: D20.2 105.41,110.27 CH20.2
Net-(D21-A): length 5.1
  Bottom w0.2: D21.2 123.41,106.02 CH21.2
Net-(D22-A): length 5.1
  Bottom w0.2: CH22.2 6.41,80.52 D22.2
Net-(D23-A): length 5.1
  Bottom w0.2: D23.2 28.91,80.52 CH23.2
Net-(D24-A): length 5.1
  Bottom w0.2: CH24.2 51.41,84.77 D24.2
Net-(D25-A): length 5.1
  Bottom w0.2: CH25.2 69.41,93.27 D25.2
Net-(D26-A): length 5.1
  Bottom w0.2: CH26.2 87.41,97.52 D26.2
Net-(D27-A): length 5.1
  Bottom w0.2: D27.2 105.41,93.27 CH27.2
Net-(D28-A): length 5.1
  Bottom w0.2: CH28.2 123.41,89.02 D28.2
Net-(D29-A): length 5.1
  Bottom w0.2: D29.2 6.41,63.52 CH29.2
Net-(D30-A): length 5.1
  Bottom w0.2: CH30.2 28.91,63.52 D30.2
Net-(D31-A): length 5.1
  Bottom w0.2: D31.2 51.41,67.77 CH31.2
Net-(D32-A): length 5.1
  Bottom w0.2: CH32.2 69.41,76.27 D32.2
Net-(D33-A): length 5.1
  Bottom w0.2: CH33.2 87.41,80.52 D33.2
Net-(D34-A): length 5.1
  Bottom w0.2: D34.2 105.41,76.27 CH34.2
Net-(D35-A): length 5.1
  Bottom w0.2: D35.2 123.41,72.02 CH35.2
Net-(D36-A): length 5
  Bottom w0.2: CH36.2 D36.2
Net-(D37-A): length 5
  Bottom w0.2: CH37.2 D37.2
Net-(D38-A): length 4.7
  Bottom w0.2: CH38.2 D38.2
Net-(D39-A): length 4.8
  Bottom w0.2: CH39.2 D39.2
Net-(D40-K): length 44.3
  Bottom w0.2: D41.1 152.75,95.67 159.91,88.51 RESET1.2 RESET1.2 175.07,95.19 D40.1
Net-(J1-CC1): length 8.7
  Top w0.25: v2(153.13,136.29) 155.38,134.04 v2(156.88,134.04)
  Bottom w0.25: v2(153.13,136.29) 152.54,136.88 152.54,137.92 J1.A5 ; v2(156.88,134.04) 157.75,134.04
Net-(J1-CC2): length 3.7
  Bottom w0.25: J1.B5 155.39,136.81 156.01,136.15 R2.1
Net-(LED1-DIN): length 17.7
  Bottom w0.2: LED1.3 17.32,126.37 18.82,124.87 LED2.2
Net-(LED2-DIN): length 18.2
  Bottom w0.2: LED2.3 36.16,127.64 42.43,127.64 43.91,129.12 LED3.2
Net-(LED3-DIN): length 15.4
  Bottom w0.2: LED3.3 59.61,130.62 66.61,137.62 LED4.2
Net-(LED4-DIN): length 13.7
  Bottom w0.2: LED4.3 77.17,139.12 79.92,141.87 LED5.2
Net-(LED5-DIN): length 14.9
  Bottom w0.2: LED6.2 100.99,137.62 95.24,143.37 LED5.3
Net-(LED6-DIN): length 14.9
  Bottom w0.2: LED7.2 120.63,133.37 114.88,139.12 LED6.3
Net-(LED8-DOUT): length 17.7
  Bottom w0.2: LED8.2 25.02,109.37 26.52,107.87 LED9.3
Net-(LED10-DIN): length 18.2
  Bottom w0.2: LED10.3 41.21,112.12 38.46,109.37 LED9.2
Net-(LED10-DOUT): length 15.5
  Bottom w0.2: LED10.2 60.44,113.62 66.5,119.68 66.5,119.69 67.43,120.62 LED11.3
Net-(LED11-DOUT): length 13.7
  Bottom w0.2: LED12.3 81.99,124.87 79.24,122.12 LED11.2
Net-(LED12-DOUT): length 14.9
  Bottom w0.2: LED13.3 104.19,120.62 98.44,126.37 LED12.2
Net-(LED13-DOUT): length 14.9
  Bottom w0.2: LED14.3 121.69,116.37 115.94,122.12 LED13.2
Net-(LED15-DIN): length 17.7
  Bottom w0.2: LED16.2 21.43,90.87 19.92,92.38 19.91,92.37 LED15.3
Net-(LED16-DIN): length 18.2
  Bottom w0.2: LED17.2 40.31,95.12 37.56,92.37 LED16.3
Net-(LED17-DIN): length 15.4
  Bottom w0.2: LED18.2 65.83,103.62 58.83,96.62 LED17.3
Net-(LED18-DIN): length 13.7
  Bottom w0.2: LED19.2 81,107.87 78.25,105.12 LED18.3
Net-(LED19-DIN): length 14.9
  Bottom w0.2: LED19.3 96.4,109.37 102.15,103.62 LED20.2
Net-(LED20-DIN): length 14.9
  Bottom w0.2: LED20.3 114.65,105.12 120.4,99.37 LED21.2
Net-(LED22-DOUT): length 17.7
  Bottom w0.2: LED22.2 24.62,75.37 26.12,73.87 LED23.3
Net-(LED23-DOUT): length 18.2
  Bottom w0.2: LED23.2 40.56,75.37 43.31,78.12 LED24.3
Net-(LED24-DOUT): length 15.4
  Bottom w0.2: LED24.2 60.72,79.62 67.72,86.62 LED25.3
Net-(LED25-DOUT): length 13.7
  Bottom w0.2: LED25.2 77.42,88.12 80.17,90.87 LED26.3
Net-(LED26-DOUT): length 14.9
  Bottom w0.2: LED26.2 96.98,92.37 102.73,86.62 LED27.3
Net-(LED27-DOUT): length 14.9
  Bottom w0.2: LED27.2 115.08,88.12 120.83,82.37 LED28.3
Net-(LED29-DIN): length 17.7
  Bottom w0.2: LED30.2 19.96,56.87 18.46,58.37 LED29.3
Net-(LED30-DIN): length 18.2
  Bottom w0.2: LED31.2 41.27,61.12 38.52,58.37 LED30.3
Net-(LED31-DIN): length 15.4
  Bottom w0.2: LED32.2 62.93,62.62 LED31.3
Net-(LED32-DIN): length 13.7
  Bottom w0.2: LED33.2 85.18,71.12 LED32.3
Net-(LED33-DIN): length 14.9
  Bottom w0.2: LED33.3 95.95,75.37 101.7,69.62 LED34.2
Net-(LED34-DIN): length 14.9
  Bottom w0.2: LED35.2 120.73,65.37 114.98,71.12 LED34.3
Net-(LED36-DOUT): length 13
  Bottom w0.2: LED36.2 150.15,40.44 151.14,38.14 LED37.3
Net-(LED37-DOUT): length 31.5
  Top w0.2: v1(142.52,33.86) 150.79,35.46 160.7,29.77 161.52,29.84 v1(163.23,32.87)
  Bottom w0.2: LED38.3 v1(142.52,33.86) ; v1(163.23,32.87) LED37.2
Net-(LED38-DOUT): length 20.9
  Bottom w0.2: LED38.2 140.09,22.19 141.29,22.47 143.01,25.27 144.98,25.66 146.69,24.95 148.58,22.63 150.21,22.52 LED39.3
Net-(Q3-C): length 3.2
  Bottom w0.2: R7.1 Q3.3
Net-(R8-Pad1): length 1.7
  Bottom w0.2: R8.1 R9.1

## Copper pours and planes (outline as drawn; the poured copper is in the pictures)
+5V on Top: -13.3,158.39 80.84,168.44 193.74,149.38 199.44,-4.11 -8.79,4.31 -14.02,115.77
GND on Bottom: -13.35,160.86 83.39,166.44 203.31,146.67 203.1,-2.97 -9.03,4.65 -16.78,83.74

## Text on the board
B.Silkscreen: GND | SWCLK | SWD | NRST | +3v3 | Designed By: / Modern Hobbyist / Charlie Steenhagen
